# Altium PCB ALTAIR_PD_Soldier_V26.1a.PcbDoc (part 2 of 2)
Units mm, origin at the board's own origin, x right, y up, seen from the top; angles counter-clockwise.
Board outline 74 x 56 mm, 4 copper layers (Top Layer, Layer 1, Layer 2, Bottom Layer), stack 1.675 mm thick; 178 components, 101 nets, 558 pads, 413 vias.
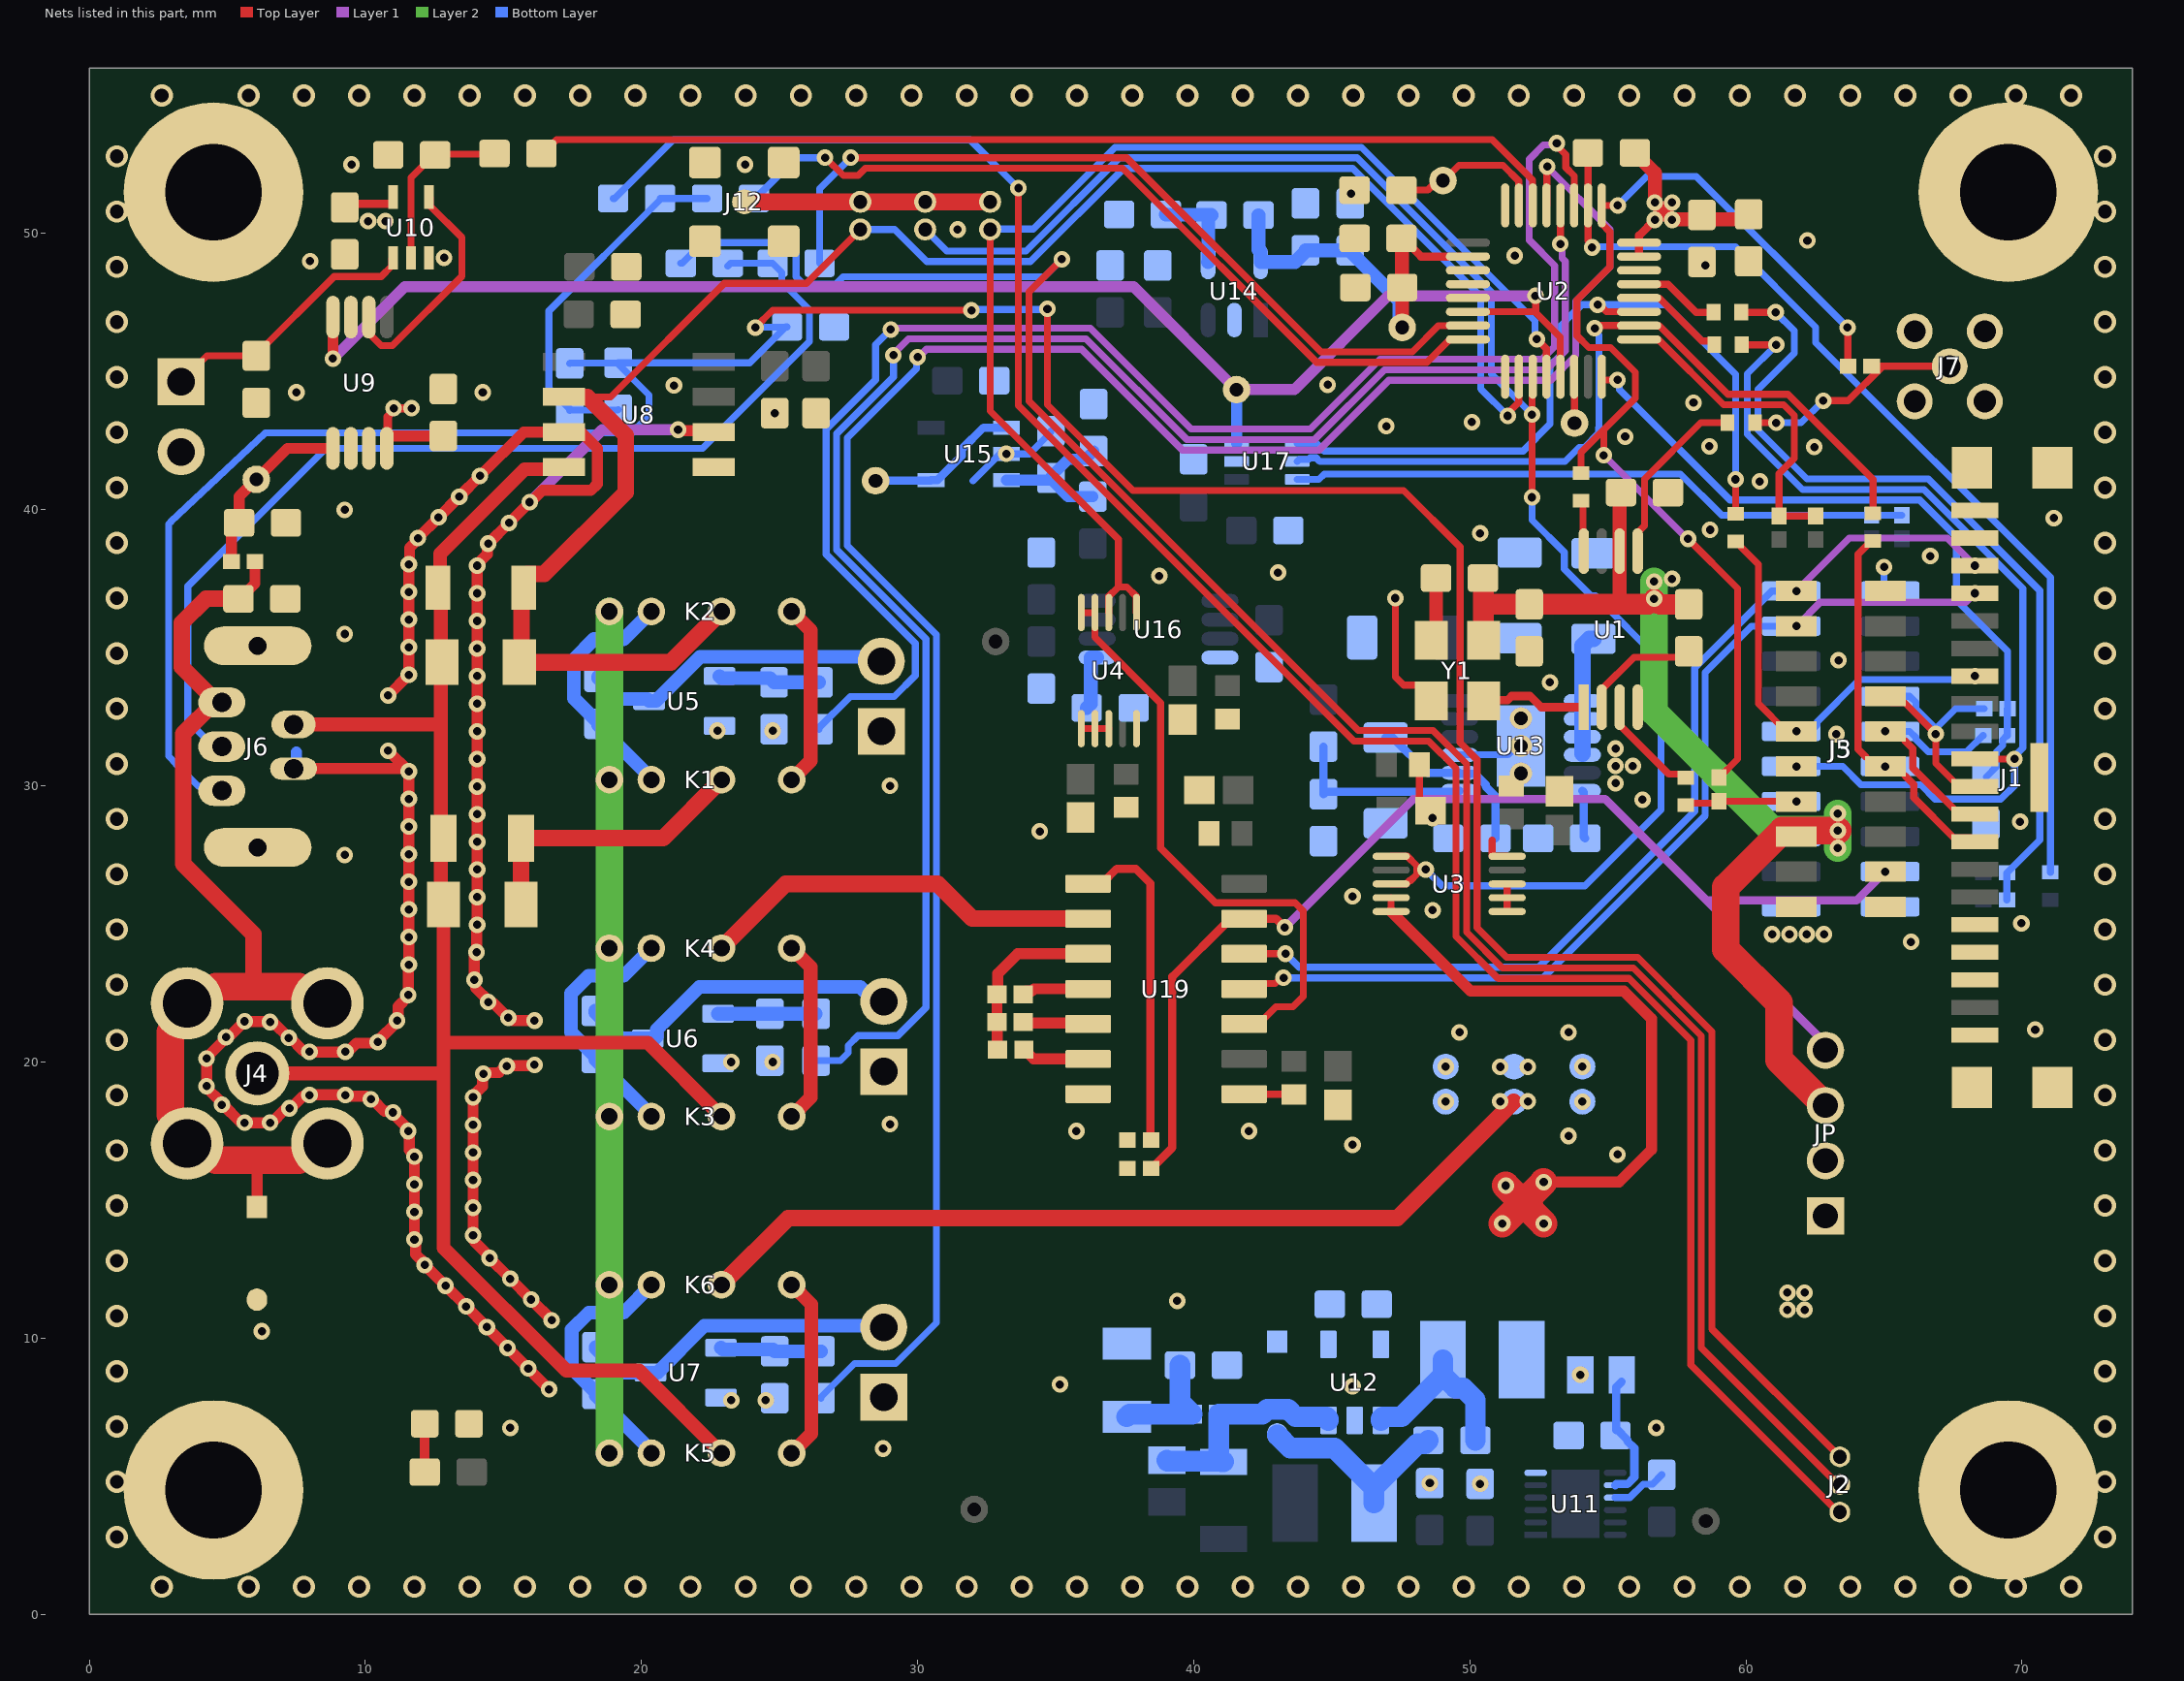
[diagram p4: the nets of this part, all layers, seen from the top]

## Via types
v1: diameter 0.6, hole 0.3, Top Layer to Bottom Layer, tented both sides, 290 vias
v2: diameter 0.8, hole 0.5, Top Layer to Bottom Layer, 122 vias
v3: diameter 0.6, hole 0.3, Top Layer to Bottom Layer, 1 vias

## Nets (pads, with @x,y where several pads share a name; then routed paths per layer and width w, separated by ;. In a path a pad name is that pad's centre, name@x,y a point inside that pad or via, vN(x,y) a via of type N, cw(c..) or ccw(c..) an arc to the next point about the centre after c; other vN are vias at no path point) (continued)
A5VSW: C23.2 C24.2 J16.2 K1.1 K2.1 K3.1 K4.1 K5.1 K6.1 TP10.1 U9.4 U10.5 U15.1 U15.4 | length 42.5
  Top Layer w0.3: C24.2@9.25,50.95 9.375,51.075 10.975,51.075 11,51.1 U10.5@11,51.325 ; U9.4@10.775,42.225 10.809,42.259 10.809,43.378 11.025,43.594 v1(11.025,43.675) v1(11.675,43.675) ; C23.2@12.825,42.675 C23.2@12.893,42.607
  Top Layer w0.4: U9.4@10.858,42.675 C23.2@12.825,42.675
  Layer 2 w1: K5.1@18.838,5.837 K6.1@18.838,11.933 K3.1@18.838,18.029 K4.1@18.838,24.125 K1.1@18.838,30.222 K2.1@18.838,36.318
  Bottom Layer w0.3: TP10.1@28.475,41.05 28.487,41.062 30.472,41.062 U15.4@30.485,41.075 30.72,41.075 31.604,41.96 31.604,42.194 32.385,42.975 U15.1@33.215,42.975
  other v1: 10.1,50.45 10.725,50.45
ADC_CLK: J3.07 J5.14 R20.2 R22.1 | length 3.8
  Top Layer w0.254: R22.1@57.825,29.3 57.9,29.375 R20.2@59.025,29.375 ; R20.2@59.025,29.45 59.033,29.442 61.617,29.442 J3.07@61.625,29.45
  other v1: 61.824,29.435
AVDD: C4.2 C5.2 C37.2 C38.2 R49.2 TP9.1 U2.26 U14.5 | length 14.6
  Top Layer w0.3: C4.2@47.537,49.813 47.587,49.813 48.229,49.171 U2.26@49.929,49.171
  Top Layer w0.5: C4.2@47.537,49.813 47.537,48.063 C5.2@47.55,48.05 TP9.1@47.55,46.6
  Bottom Layer w0.5: R49.2@42.346,50.671 42.346,49.416 42.421,49.341 U14.5@42.421,48.971 43.671,48.971 44.046,49.346 C38.2@44.046,49.396 C37.2@45.671,49.396 45.671,49.346 47.454,47.562 47.454,46.696 TP9.1@47.55,46.6
DIG_GND: J3.04 J5.17 JP.4 R1.2 U19.13 | length 45.2
  Top Layer w0.3: R1.2@38.45,16.15 38.475,16.15 39.225,16.9 39.225,23.09 41.325,25.19 U19.13@41.825,25.19 41.83,25.195 42.98,25.195 v1(43.3,24.875)
  Layer 1 w0.3: v1(43.3,24.875) 47.95,29.525 54.902,29.525 58.571,25.856 ; JP.4@62.875,20.425 62.875,20.675 59.406,24.144 59.406,25.021 58.571,25.856 ; 64.011,25.856 58.571,25.856 ; 64.032,25.878 v1(65.05,26.895)
GUARD: J6.4 J9.1 J9.2 J11.1 J11.2 U8.2 U8.7 | length 104
  Top Layer w0.4: J6.4@7.4,30.625 11.421,30.625 11.521,30.525 v1(11.575,30.525) ; v1(10.825,31.275) v1(11.575,30.525) ; v1(10.825,33.275) v1(11.575,34.025) v1(11.575,35.025) v1(11.575,36.025) v1(11.575,37.025) v1(11.575,38.025) 11.6,38.05 11.6,38.621 11.9,38.921 v1(11.9,38.975) v1(12.65,39.725) v1(13.4,40.475) v1(14.15,41.225) 15.74,42.815 U8.7@17.188,42.815 ; v1(16.125,19.9) 16.1,19.875 15.15,19.875 v1(15.125,19.85) 15.071,19.85 14.834,19.613 14.313,19.613 v1(14.275,19.575) 14.237,19.537 14.237,19.116 13.9,18.779 v1(13.9,18.725) v1(13.9,17.725) v1(13.9,16.725) v1(13.9,15.725) v1(13.9,14.725) v1(13.9,13.725) 13.938,13.687 13.938,13.516 14.5,12.954 v1(14.5,12.9) v1(15.25,12.15) v1(16,11.4) v1(16.75,10.65) ; v1(16.125,21.5) 15.329,21.5 15.229,21.6 v1(15.175,21.6) 14.638,22.137 14.488,22.137 v1(14.45,22.175) 14.45,22.229 13.988,22.691 13.988,22.937 v1(13.95,22.975) 13.95,23.846 14.025,23.921 v1(14.025,23.975) 14.038,23.987 14.038,24.963 v1(14.05,24.975) v1(14.05,25.975) v1(14.05,26.975) v1(14.05,27.975) v1(14.05,28.975) v1(14.05,29.975) v1(14.05,30.975) v1(14.05,31.975) v1(14.05,32.975) v1(14.05,33.975) v1(14.05,34.975) v1(14.05,35.975) v1(14.05,36.975) v1(14.05,37.975) 14.05,38.029 14.412,38.391 14.412,38.737 v1(14.45,38.775) v1(15.2,39.525) v1(15.95,40.275) 15.987,40.275 16.412,40.7 18.166,40.7 18.4,40.934 18.4,42.225 U8.7@17.81,42.815 ; v1(16.65,8.15) v1(15.9,8.9) v1(15.15,9.65) v1(14.4,10.4) v1(13.65,11.15) v1(12.9,11.9) v1(12.15,12.65) 12.15,12.704 11.813,13.041 11.813,13.537 v1(11.775,13.575) v1(11.775,14.575) v1(11.775,15.575) v1(11.775,16.575) 11.775,16.629 11.588,16.816 11.588,17.462 v1(11.55,17.5) 11.512,17.538 11.512,17.609 11,18.121 v1(11,18.175) 10.962,18.213 10.691,18.213 10.254,18.65 v1(10.2,18.65) 10.146,18.65 10.034,18.762 9.313,18.762 v1(9.275,18.8) 9.259,18.817 7.992,18.817 v1(7.975,18.8) 7.937,18.762 7.741,18.762 7.304,18.325 v1(7.25,18.325) 7.212,18.287 7.091,18.287 6.604,17.8 v1(6.55,17.8) v1(5.625,17.8) 5.587,17.838 5.461,17.838 4.849,18.45 v1(4.8,18.45) 4.762,18.488 4.762,18.559 4.25,19.071 v1(4.25,19.125) v1(4.25,20.125) 4.25,20.162 4.95,20.862 v1(4.95,20.9) 4.988,20.938 5.088,20.938 v1(5.625,21.475) 5.637,21.462 6.538,21.462 v1(6.55,21.45) 6.588,21.412 6.688,21.412 v1(7.225,20.875) 7.279,20.875 7.741,20.413 7.937,20.413 v1(7.975,20.375) 7.987,20.363 9.263,20.363 v1(9.275,20.375) 9.313,20.413 9.406,20.413 9.68,20.687 10.412,20.687 v1(10.45,20.725) 10.45,20.762 11.15,21.462 v1(11.15,21.5) 11.188,21.538 11.188,22.009 11.55,22.371 v1(11.55,22.425) 11.563,22.438 11.563,23.513 v1(11.575,23.525) v1(11.575,24.525) v1(11.575,25.525) v1(11.575,26.525) v1(11.575,27.525) v1(11.575,28.525) v1(11.575,29.525) v1(11.575,30.525) ; v1(21.325,42.9) 21.363,42.862 22.565,42.862 U8.2@22.612,42.815
  Layer 1 w0.4: v1(15.95,40.275) 18.575,42.9 v1(21.325,42.9)
  Bottom Layer w0.4: J6.4@7.4,30.625 7.5,30.725 7.5,31.225
  other v1: 53.575,17.325 49.125,18.565 54.075,18.565 49.125,19.835 54.075,19.835 49.625,21.075 53.575,21.075
IVC_SW_1_Sol: J1.4 J3.17 J5.4 U19.11 | length 35.4
  Top Layer w0.254: U19.11@41.825,22.65 42.023,22.848 42.954,22.848 43.156,23.05 v1(43.25,23.05)
  Layer 1 w0.254: v1(61.824,35.785) 62.689,36.65 67.966,36.65 v1(68.291,36.975)
  Bottom Layer w0.254: v1(43.25,23.05) 52.65,23.05 58.525,28.925 58.525,34.111 60.199,35.785 v1(61.824,35.785)
IVC_SW_2_Sol: J1.3 J3.19 J5.2 U19.12 | length 36.6
  Top Layer w0.254: U19.12@41.825,23.92 41.827,23.922 43.323,23.922 v1(43.325,23.925)
  Layer 1 w0.254: v1(61.824,37.055) 63.744,38.975 67.291,38.975 v1(68.291,37.975)
  Bottom Layer w0.254: v1(43.325,23.925) 43.819,23.431 52.492,23.431 58.144,29.083 58.144,34.269 60.93,37.055 v1(61.824,37.055)
NetC1_2: C1.2 NTC1.2 R8.1 R11.2 | length 13.1
  Bottom Layer w0.254: C1.2@19.154,43.625 19.141,43.612 17.413,43.612 NTC1.2@17.4,43.6 17.4,43.65 16.646,44.404 16.646,47.196 20.675,51.225 R8.1@20.675,51.275 R11.2@22.375,51.275
NetC12_2: C12.2 TP2.1 U2.23 | length 5.7
  Top Layer w0.254: C12.2@47.525,51.575 48.473,51.575 48.823,51.925 49.054,51.925 49.604,52.475 51.2,52.475 51.77,51.905 51.77,51.03 U2.23@51.779,51.021
NetC17_2: C17.2 K1.3 R32.2 | length 10.5
  Top Layer w0.6: R32.2@15.632,25.705 C17.2@15.632,28.104 20.78,28.104 K1.3@22.898,30.222
NetC22_2: C22.2 J_TIA.1 K2.3 R39.2 U2.2 U8.6 | length 65.8
  Top Layer w0.254: 18.04,44.085 18.885,44.085 23,48.2 25.975,48.2 J_TIA.1@27.925,50.15 ; v1(51.375,43.4) 51.375,43.494 51.77,43.889 51.77,44.812 U2.2@51.779,44.821
  Top Layer w0.6: R39.2@15.575,34.475 21.055,34.475 K2.3@22.898,36.318 ; R39.2@15.654,34.554 C22.2@15.654,37.096 ; C22.2@15.732,37.174 15.732,37.524 15.882,37.674 16.474,37.674 19.425,40.625 19.425,42.7 18.04,44.085 17.625,44.085 U8.6@17.188,44.085
  Bottom Layer w0.254: J_TIA.1@27.925,50.15 29.17,50.15 30.332,48.988 34.088,48.988 37.463,52.363 45.759,52.363 50.397,47.725 50.397,44.378 v1(51.375,43.4)
NetC26_2: C26.2 R41.1 TP6.1 U9.1 | length 6.6
  Top Layer w0.4: R41.1@5.15,38.125 5.15,39.25 C26.2@5.425,39.525 5.425,40.475 TP6.1@6.05,41.1 7.175,42.225 U9.1@8.825,42.225
NetC27_1: C27.1 L1.2 U12.1 | length 6.5
  Bottom Layer w0.75: U12.1@46.775,7.025 46.775,7.075 46.85,7.15 47.525,7.15 L1.2@49.024,8.649 ; L1.2@49.024,9.225 L1.2@49.024,8.649 ; C27.1@50.2,6.3 50.2,7.758 49.761,8.197 49.476,8.197 L1.2@49.024,8.649
NetC27_2: C27.2 D1.2 L2.1 | length 7.5
  Bottom Layer w0.75: D1.2@43.029,6.491 43.497,6.023 45.104,6.023 L2.1@46.526,4.601 ; L2.1@46.526,4.025 L2.1@46.526,4.601 ; C27.2@48.5,6.3 48.375,6.175 48.1,6.175 L2.1@46.526,4.601
NetC29_2: C29.2 R44.1 R46.2 U12.3 | length 8.1
  Bottom Layer w0.75: R44.1@39.025,5.575 39.05,5.55 41.05,5.55 C29.2@41.075,5.525 41.004,5.525 40.904,5.625 R46.2@40.904,7.25 42.487,7.25 42.663,7.426 43.413,7.426 43.689,7.15 44.8,7.15 44.875,7.075 U12.3@44.875,7.025
NetC33_1: C33.1 R45.1 U11.8 | length 4.7
  Bottom Layer w0.3: U11.8@55.266,4.675 55.304,4.714 55.708,4.714 55.958,4.964 55.958,6.017 55.7,6.275 55.7,6.325 55.35,6.675 55.3,6.675 55.3,8.225 C33.1@55.5,8.425
NetC34_1: C34.1 R46.1 R47.2 | length 4.4
  Bottom Layer w0.75: R47.2@37.575,7.15 37.675,7.25 R46.1@39.946,7.25 39.5,7.696 C34.1@39.5,9.025
NetC40_2: C40.2 R59.1 R60.2 U15.3 | length 5.4
  Bottom Layer w0.254: C40.2@34.75,41.075 C40.2@34.825,41.15
  Bottom Layer w0.4: U15.3@33.215,41.075 C40.2@34.75,41.075 ; C40.2@34.825,41.1 35.45,40.475 R59.1@36.35,40.475 ; C40.2@34.825,41.2 35.452,41.827 36.077,41.827 R60.2@36.375,42.125
NetC41_2: C41.2 R53.2 U13.8 | length 6.4
  Bottom Layer w0.3: C41.2@46.95,31.75 47.2,31.75 48.475,30.475 U13.8@49.625,30.475 49.663,30.437 50.184,30.437 50.577,30.043 50.577,29.976 50.925,29.628 R53.2@50.925,28.1
NetC46_2: C46.2 U16.5 | length 2.1
  Bottom Layer w0.5: C46.2@36.125,32.825 36.275,32.975 36.275,34.65 U16.5@36.5,34.65
NetD2_2: D2.2 R50.1 | length 1.8
  Top Layer w0.35: R50.1@12.15,5.15 D2.2@12.15,6.904
NetJ2_1: J2.1 R8.2 | length 81
  Top Layer w0.254: v1(33.65,51.65) 33.65,43.775 45.8,31.625 48.509,31.625 49.5,30.634 49.5,24.55 51.021,23.029 55.763,23.029 58,20.792 58,9.031 63.331,3.7 J2.1@63.4,3.7
  Bottom Layer w0.254: R8.2@18.975,51.275 19.025,51.275 21.147,53.397 31.903,53.397 v1(33.65,51.65)
NetJ2_2: J2.2 R9.2 | length 77.1
  Top Layer w0.254: v1(35.225,49.075) 34.031,47.881 34.031,43.933 45.958,32.006 48.667,32.006 49.881,30.792 49.881,24.708 51.179,23.41 55.921,23.41 58.381,20.95 58.381,9.65 63.331,4.7 J2.2@63.4,4.7
  Bottom Layer w0.254: R9.2@21.425,48.925 21.475,48.925 22.229,49.679 25.332,49.679 25.6,49.411 25.6,48.439 25.868,48.171 27.032,48.171 27.3,48.439 34.589,48.439 v1(35.225,49.075)
NetJ6_3: J6.3 R9.1 R12.2 | length 37.7
  Bottom Layer w0.254: J6.3@4.8,31.425 4.5,31.425 3.569,32.356 3.569,37.225 8.569,42.225 22.211,42.225 26.079,46.093 26.079,47.246 25.079,48.246 25.079,48.596 R12.2@24.75,48.925 23.225,48.925 R9.1@23.125,48.825
NetJ7_1: J7.1 R21.1 R25.1 | length 8.3
  Top Layer w0.254: R25.1@60.325,43.15 v3(61.1,43.15) ; v1(62.8,43.95) 63.7,43.95 64.95,45.2 R21.1@64.55,45.2 ; 64.95,45.197 67.378,45.197 J7.1@67.38,45.195
  Bottom Layer w0.254: v3(61.1,43.15) 62,43.15 v1(62.8,43.95)
NetJ8_1: J8.1 U3.9 U3.10 | length 24.7
  Top Layer w0.254: U3.10@47.15,25.45 U3.9@47.15,25.95
  Top Layer w0.4: U3.10@47.15,25.45 50.025,22.575 55.575,22.575 56.575,21.575 56.575,16.825 55.4,15.65 v1(52.675,15.65)
  Top Layer w1: v1(51.175,14.15) 51.925,14.9 ; v1(51.3,15.525) 51.925,14.9 ; v1(52.675,14.15) 51.925,14.9 ; v1(52.675,15.65) 51.925,14.9
NetJ10_1: J10.1 J10.2 K6.3 | length 31.4
  Top Layer w0.6: K6.3@22.898,11.933 25.315,14.35 47.375,14.35 51.59,18.565
  other v1: 51.1,18.575 52.1,18.575 51.1,19.825 52.1,19.825
NetJ12_1: J12.1 J_ACF.2 J_IVC.2 J_TIA.2 | length 8.9
  Top Layer w0.6: J12.1@23.725,51.15 J_TIA.2@27.925,51.15 J_IVC.2@32.625,51.15
NetJ13_2: J13.2 R29.1 U5.3 | length 11.4
  Bottom Layer w0.5: R29.1@18.425,33.95 18.425,33.9 19.175,33.15 20.2,33.15 U5.3@20.275,33.075 20.525,33.075 22.127,34.677 28.524,34.677 J13.2@28.688,34.513
NetJ14_2: J14.2 R33.1 U6.3 | length 12
  Bottom Layer w0.5: R33.1@18.325,21.85 18.325,21.8 19.275,20.85 20.475,20.85 20.55,20.925 20.55,21.175 22.1,22.725 27.915,22.725 28.45,22.19 J14.2@28.775,22.19
NetJ15_2: J15.2 R36.1 U7.3 | length 11.6
  Bottom Layer w0.5: R36.1@18.35,9.675 18.35,9.625 19.225,8.75 U7.3@20.325,8.75 20.575,8.75 22.277,10.452 28.718,10.452 J15.2@28.775,10.395
NetJ16_1: J16.1 R43.1 U10.1 | length 9.7
  Top Layer w0.254: J16.1@3.325,44.64 4.26,45.575 R43.1@6.05,45.575 ; R43.1@6.05,45.625 8.871,48.446 10.571,48.446 10.952,48.827 10.952,49.077 U10.1@11,49.125
NetJ_ACF_1: J_ACF.1 U2.3 U3.6 U3.8 | length 59.8
  Top Layer w0.254: U3.8@47.15,26.45 47.696,26.45 47.817,26.571 47.857,26.571 48.079,26.793 48.079,27.016 48.079,27.107 ; U3.6@47.15,27.45 47.152,27.448 47.738,27.448 48.079,27.107 ; v1(48.4,26.975) 48.334,27.041 48.145,27.041 48.079,27.107 ; v1(52.25,40.45) v1(52.25,43.45) 52.25,44.13 52.279,44.159 U2.3@52.279,44.821
  Bottom Layer w0.254: J_ACF.1@30.275,50.15 31.056,49.369 33.93,49.369 37.305,52.744 45.917,52.744 50.778,47.883 50.778,44.922 v1(52.25,43.45) ; v1(48.4,26.975) 48.997,26.378 54.168,26.378 56.925,29.135 56.925,34.504 54.554,36.875 54.396,36.875 53.421,37.85 53.421,38.458 52.25,39.629 v1(52.25,40.45)
NetJ_IVC_1: J_IVC.1 U2.4 U4.6 U4.8 | length 43.1
  Top Layer w0.254: J_IVC.1@32.625,50.15 32.625,43.575 37.268,38.932 37.268,37.204 ; U4.8@36.925,36.275 36.925,36.861 37.268,37.204 ; U4.6@37.925,36.275 37.923,36.277 37.923,36.863 37.582,37.204 37.268,37.204 ; v1(52.425,46.175) 52.77,45.83 52.77,44.83 U2.4@52.779,44.821
  Bottom Layer w0.254: J_IVC.1@32.625,50.15 32.64,50.165 34.188,50.165 37.147,53.125 46.075,53.125 52.359,46.841 52.359,46.241 v1(52.425,46.175)
NetK1_2: K1.2 K2.2 R29.2 | length 9.1
  Bottom Layer w0.5: K1.2@20.358,30.222 20.358,30.267 18.425,32.2 R29.2@18.425,32.25 18.425,32.3 17.548,33.177 17.548,34.583 18.279,35.314 19.354,35.314 K2.2@20.358,36.318
NetK1_4: K1.4 K2.4 | length 6.7
  Top Layer w0.5: K1.4@25.438,30.222 26.125,30.909 26.125,35.631 K2.4@25.438,36.318
NetK3_2: K3.2 K4.2 R33.2 | length 9.2
  Bottom Layer w0.5: K3.2@20.358,18.029 20.358,18.067 18.325,20.1 18.325,20.2 17.448,21.077 17.448,22.483 18.086,23.121 19.354,23.121 K4.2@20.358,24.125
NetK3_4: K3.4 K4.4 | length 6.7
  Top Layer w0.5: K3.4@25.438,18.029 26.125,18.716 26.125,23.438 K4.4@25.438,24.125
NetK4_3: K4.3 U19.2 | length 14.8
  Top Layer w0.6: K4.3@22.898,24.125 25.223,26.45 30.725,26.45 31.985,25.19 U19.2@36.175,25.19
NetK5_2: K5.2 K6.2 R36.2 | length 9.2
  Bottom Layer w0.5: K5.2@20.358,5.837 20.358,5.917 18.35,7.925 R36.2@18.35,7.975 18.35,8.025 17.473,8.902 17.473,10.308 18.094,10.929 19.354,10.929 K6.2@20.358,11.933
NetK5_4: K5.4 K6.4 | length 6.7
  Top Layer w0.5: K5.4@25.438,5.837 26.15,6.549 26.15,11.221 K6.4@25.438,11.933
NetR2_2: R2.2 R3.2 U2.18 | length 36.1
  Top Layer w0.254: R2.2@54.275,52.925 54.279,52.921 54.279,49.74 54.425,49.594 v1(54.425,49.5)
  Bottom Layer w0.254: v1(54.425,49.5) 54.45,49.525 59.615,49.525 62.525,46.615 62.525,46.052 71.025,37.552 R3.2@71.025,26.875
NetR4_2: R4.2 U2.11 U17.1 | length 27.7
  Top Layer w0.254: v1(54.625,47.425) 54.694,47.425 54.948,47.171 U2.11@56.129,47.171 ; R4.2@59.625,39.85 v1(59.625,41.1)
  Bottom Layer w0.254: U17.1@43.75,42.4 44.45,42.4 44.719,42.131 51.931,42.131 52.907,43.107 52.907,45.232 53.27,45.595 53.27,46.645 54.05,47.425 v1(54.625,47.425) 57.1,47.425 59.625,44.9 v1(59.625,41.1)
NetR5_2: R5.2 U2.10 U17.2 | length 29
  Top Layer w0.254: v1(54.525,46.575) 54.619,46.575 54.715,46.671 U2.10@56.129,46.671 ; U2.10@56.138,46.662 56.863,46.662 59.344,44.181 61.523,44.181 64.6,41.104 R5.2@64.6,39.875
  Bottom Layer w0.254: U17.2@43.75,41.75 43.823,41.823 44.166,41.823 44.222,41.879 44.432,41.879 44.561,41.75 53.45,41.75 53.956,42.256 54.153,42.256 54.669,42.772 54.669,42.969 54.676,42.976 54.676,46.33 54.525,46.481 v1(54.525,46.575)
NetR6_2: R6.2 R7.2 U2.9 | length 12
  Top Layer w0.254: U2.9@56.129,46.171 56.138,46.162 56.824,46.162 59.186,43.8 61.365,43.8 61.747,43.418 61.747,41.86 61.2,41.313 R6.2@61.2,39.775 R7.2@62.525,39.775
NetR10_2: R10.2 R13.2 U17.3 | length 22.6
  Bottom Layer w0.254: U17.3@43.75,41.1 44.533,41.1 44.729,41.296 57.629,41.296 59.125,39.8 R10.2@64.55,39.8 R13.2@65.65,39.8
NetR11_1: R11.1 U2.32 | length 30.1
  Top Layer w0.254: v1(26.65,52.75) 26.66,52.75 27.307,52.103 27.843,52.103 28.109,52.369 37.417,52.369 44.448,45.338 48.446,45.338 49.279,46.171 U2.32@49.929,46.171
  Bottom Layer w0.254: R11.1@24.075,51.275 24.125,51.275 25.6,52.75 v1(26.65,52.75)
NetR12_1: R12.1 U2.31 | length 30
  Top Layer w0.254: v1(27.575,52.75) 37.575,52.75 44.606,45.719 47.915,45.719 48.858,46.662 49.92,46.662 U2.31@49.929,46.671
  Bottom Layer w0.254: R12.1@26.45,48.925 26.45,51.625 v1(27.575,52.75)
NetR15_2: R15.2 R16.2 R28.2 | length 30.6
  Top Layer w0.254: R28.2@59.825,47.15 v1(61.075,47.15)
  Bottom Layer w0.254: v1(61.075,47.15) 61.747,46.478 61.747,45.672 60.431,44.356 60.431,42.894 62.209,41.116 66.604,41.116 70.644,37.076 70.644,28.044 R16.2@69.45,26.85 R15.2@69.45,25.875
NetR17_2: R17.2 R18.2 R19.1 U2.8 | length 25.3
  Top Layer w0.254: U2.8@54.779,44.821 54.779,44.721 54.8,44.7 v1(55.35,44.7)
  Bottom Layer w0.254: v1(55.35,44.7) 55.416,44.634 55.416,44.359 59.421,40.354 66.288,40.354 67.625,39.017 67.625,36.726 69.475,34.876 R18.2@69.475,32.8 ; R19.1@68.7,30.325 69.073,30.698 69.073,31.238 69.302,31.467 69.302,31.677 R17.2@69.45,31.825 69.475,31.825 69.463,31.838 R18.2@69.463,32.788
NetR20_1: R20.1 R21.2 R23.1 U2.17 | length 40.4
  Top Layer w0.254: R23.1@54.025,41.325 54.025,42.072 54.816,42.863 ; v1(54.85,41.975) 54.85,42.829 54.816,42.863 ; v1(55.354,51.021) U2.17@54.779,51.021 54.779,50.359 55.075,50.063 55.075,48.79 53.878,47.593 53.878,46.307 54.31,45.875 55.1,45.875 55.997,44.978 55.997,44.044 55.607,43.654 54.816,42.863 ; v1(57.9,38.95) 59.7,37.15 59.7,30.975 R20.1@59.025,30.3 ; v1(63.675,46.6) 63.688,46.587 63.688,45.213 R21.2@63.7,45.2
  Layer 1 w0.254: v1(54.85,41.975) 57.875,38.95 v1(57.9,38.95)
  Bottom Layer w0.254: v1(55.354,51.021) 56.408,52.075 58.2,52.075 v1(63.675,46.6)
NetR22_2: R22.2 U1.3 | length 3.9
  Top Layer w0.254: U1.3@55.425,32.85 55.425,32.212 57.214,30.423 57.852,30.423 R22.2@57.9,30.375
NetR23_2: R23.2 U1.8 | length 1.9
  Top Layer w0.254: R23.2@53.975,40.375 54.101,40.249 54.101,38.525 U1.8@54.125,38.5
NetR24_1: R24.1 U1.2 | length 4.4
  Top Layer w0.254: U1.2@54.775,32.85 54.775,33.487 55.95,34.662 57.737,34.662 R24.1@57.925,34.85
NetR25_2: R25.2 U1.5 | length 6.6
  Top Layer w0.254: U1.5@56.075,38.5 56.075,39.172 56.325,39.422 56.325,41.111 58.364,43.15 R25.2@59.325,43.15 R25.2@59.35,43.175